# Altium PCB Brake Module PCB R5.PcbDoc (part 1 of 3) (continued)
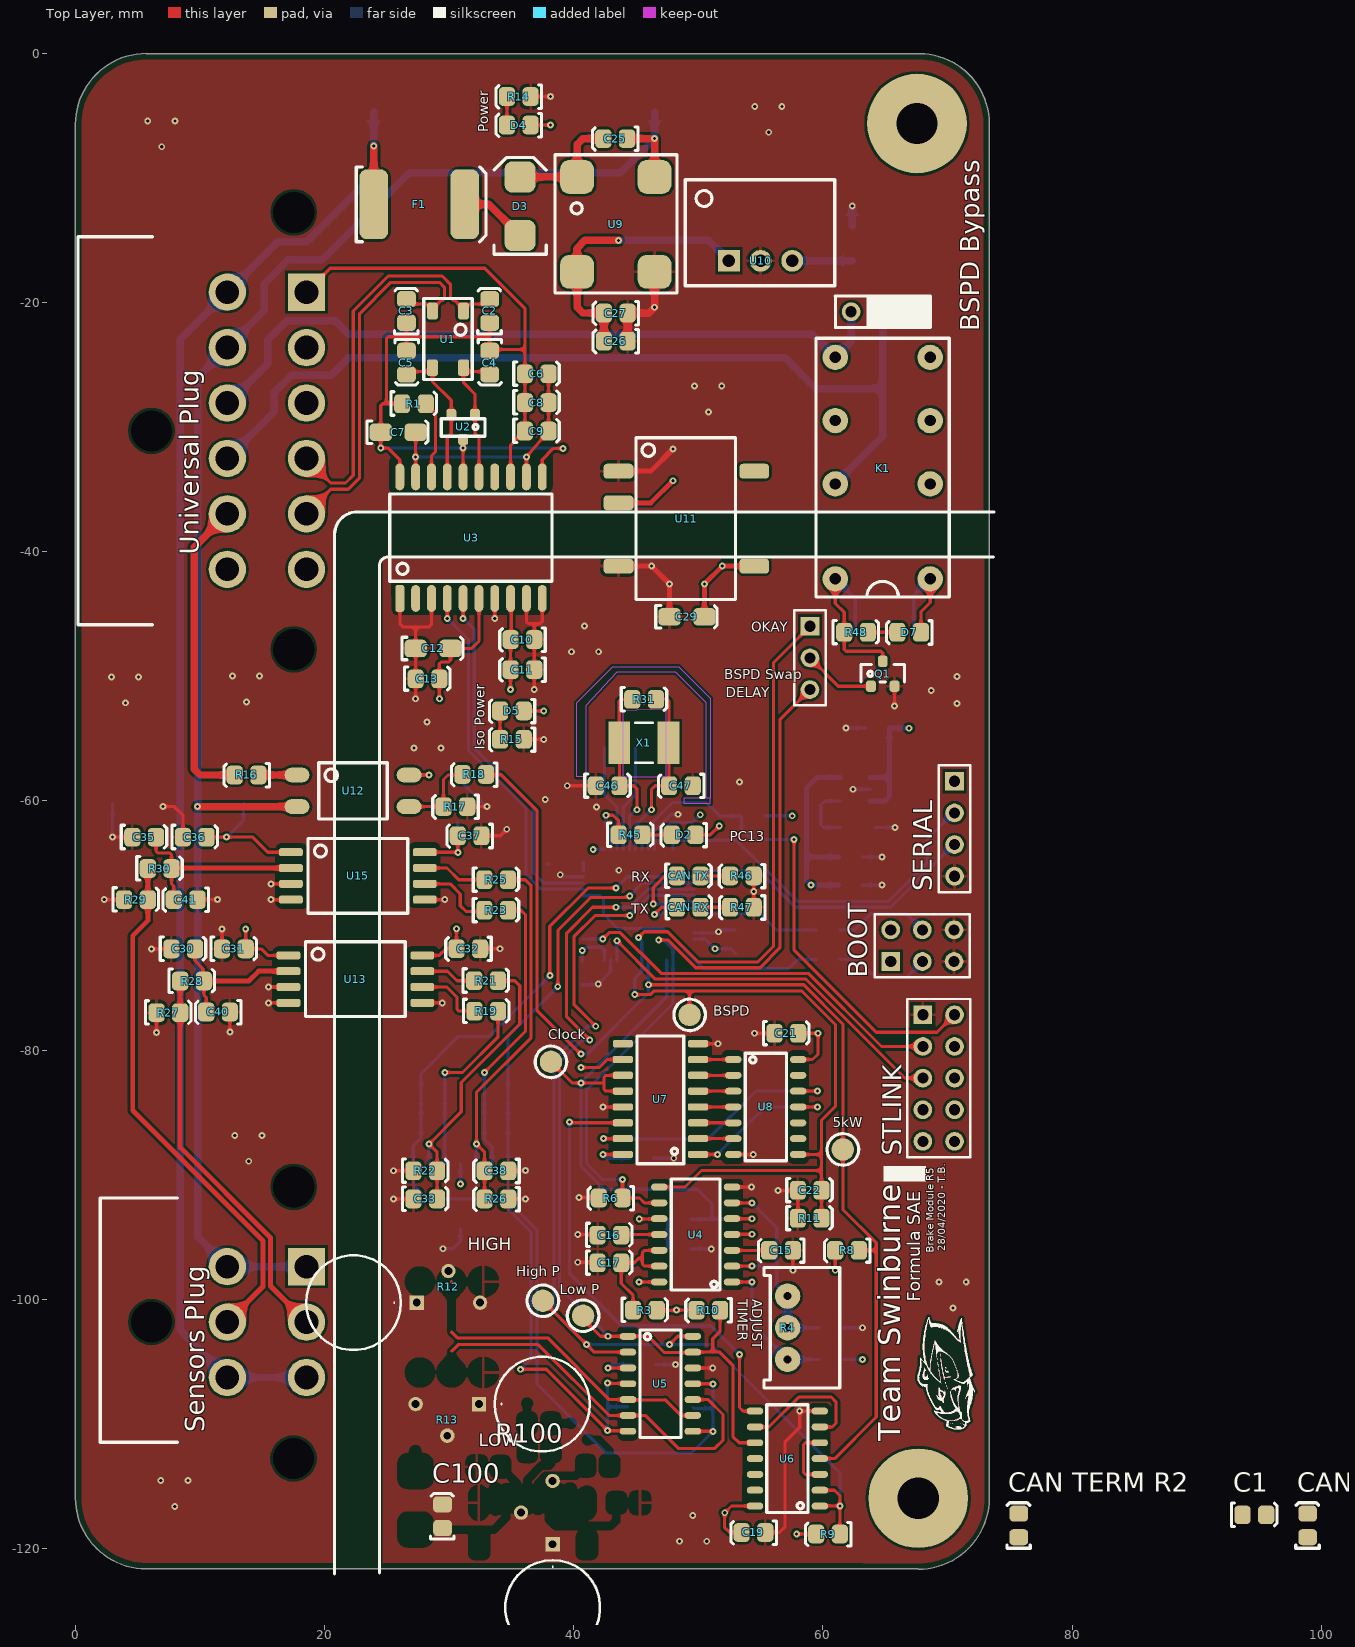
[diagram p0: Top Layer view]
## Components (designator, comment, footprint, x,y, rotation, side; value= is the part's Value field where it differs from the comment) (continued)
D7 "Green" "0805 LED" 66.91,-46.489 r180 top
F1 "0ZCF0100AF2A" 2920 23.946,-12.11 r0 top
GLV+ "0mm" "SMD Test Point" 23.95,-4.725 r90 bottom
GLV- "0mm" "SMD Test Point" 46.483,-4.725 r90 bottom
"High P" "0mm" "SMD Test Point" 37.525,-100.125 r90 top
K1 "V23105A5475A201" "TI 2-DIL" 64.802,-33.281 r90 top
"Low P" "0mm" "SMD Test Point" 40.75,-101.325 r90 top
Q1 "2N7002K" "ON SOT-23 MOSFET" 64.802,-49.791 r0 top
R1 "0R" 0805 27.183,-28.091 r0 top
R2 "10k" 0805 60.637,-104.855 r0 bottom
R3 "1M" 0805 45.725,-100.85 r0 top
R4 "10K (Var)" "B 3296" 57.725,-102.375 r270 top
R6 "20k" 0805 42.95,-91.9 r180 top
R7 "1.5k" 0805 48.47,-95.928 r180 bottom
R8 "3.3k" 0805 61.924,-96.102 r180 top
R9 "3.3k" 0805 60.396,-118.872 r180 top
R10 "3.3k" 0805 50.788,-100.901 r180 top
R11 "10k" 0805 58.95,-93.475 r0 top
R12 "3339P-1-103LF" 3339P1103LF 27.4,-100.275 r0 top
R13 "3339P-1-103LF" 3339P1103LF 32.389,-108.414 r180 top
R14 "680R" 0805 35.572,-3.485 r180 top
R15 "680R" 0805 35.025,-55.088 r180 top
R16 "680R" 0805 13.72,-57.945 r180 top
R17 "10k" 0805 30.484,-60.485 r180 top
R18 "100R" 0805 32,-57.9 r180 top
R19 "10k" 0805 32.987,-76.849 r0 top
R20 "10k" 0805 28.688,-83.497 r180 bottom
R21 "10k" 0805 32.97,-74.403 r0 top
R22 "10k" 0805 28.092,-89.664 r0 top
R23 "10k" 0805 33.787,-68.749 r0 top
R24 "10k" 0805 33.792,-83.497 r0 bottom
R25 "10k" 0805 33.786,-66.301 r0 top
R26 "10k" 0805 33.778,-91.976 r180 top
R27 "200R" 0805 7.472,-76.969 r0 top
R28 "1k" 0805 9.372,-74.429 r0 top
R29 "200R" 0805 4.872,-67.899 r0 top
R30 "1k" 0805 6.772,-65.4 r0 top
R31 "10M" 0805 45.656,-51.823 r0 top
R38 "10k" 0805 54.425,-61.225 r0 bottom
R39 "10k" 0805 60.425,-72.7 r180 bottom
R40 "10k" 0805 60.45,-70.375 r0 bottom
R45 "510R" 0805 44.564,-62.697 r0 top
R46 "510R" 0805 53.482,-66.047 r180 top
R47 "510R" 0805 53.488,-68.564 r180 top
R48 "680R" 0805 62.67,-46.437 r0 top
R100 "3339P-1-103LF" 3339P1103LF 38.307,-119.666 r90 top
"S1 AMP" "0mm" "SMD Test Point" 44.3,-108.625 r270 bottom
"S2 AMP" "0mm" "SMD Test Point" 49.575,-108.7 r90 bottom
"Sensors Plug" "DT13-6P" DT13-6P 2.096,-108.783 r270 top
SERIAL "2.54mm" "TH 2.54mm Header 1x4" 70.565,-58.425 r270 top
STLINK "2.54mm" "TH 2.54mm Header 2x5" 68.025,-77.17 r270 top
U1 "B82787C0104H002" "TDK 4-PC Pad" 31.155,-20.681 r270 top
U2 "NUP2105L" "ON SOT-23" 31.119,-29.979 r180 top
U3 "ADM3053" "AD SOIC-W 20" 31.754,-38.869 r0 top
U4 "NE556DR" "14 SOIC" 49.73,-95.022 r90 top
U5 "LMV339IDR" "TI 14-SOIC" 41.756,-122.025 r270 top
U6 "SN74HC00DR" "TI 14-SOIC" 62.35,-97.55 r90 top
U7 "MC74HC595ADR2G" "ON 16-SOIC" 47.081,-88.378 r180 top
U8 "CD74HC30M96" "TI 14-SOIC" 50.207,-99.808 r270 top
U9 "744272121" "Wurth 4-PC Pad" 46.483,-17.533 r90 top
U10 "R-78C5.0-1.0" "RECOM 3-SIP" 52.455,-16.644 r0 top
U11 "R2S-0505/HP" "RECOM 8-SMD (5 Pin)" 48.986,-37.345 r270 top
U12 "LTV-817S-TA1" "ON 4-SMD" 22.534,-59.189 r0 top
U13 "ACPL-C870" "BROAD 8-SOIC" 22.471,-74.302 r270 top
U14 "LM324D" "TI 14-SOIC" 46.16,-86.551 r0 bottom
U15 "ACPL-C870" "BROAD 8-SOIC" 22.669,-66.022 r270 top
U16 "STM32F103C8T6" "STM 48-LQFP" 45.216,-68.333 r0 bottom
U17 "RT9193-33GB" "RICHTEK SOT-23-5" 62.767,-59.113 r270 bottom
"Universal Plug" "DT13-12P" DT13-12P 12.196,-19.159 r270 top
X1 "8MHz" ECS-80-18-30-JGN-TR 45.632,-55.338 r0 top
X2 "32.768kHz" "EPSON 2-SMD" 43.717,-55.76 r0 bottom

## Footprints (in the part's own frame and the unit in brackets; to place one, negate y for a bottom-side part, rotate by r counter-clockwise, add the part's x,y. Pads: shape width x height; smd on the part's side, far side on the other; paste and mask are expansions set on the pad)
"14 SOIC" [mil]
  oval 22x52 smd: 1(-141.46,-116.85) 2(-91.46,-116.85) 3(-41.46,-116.85) 4(8.54,-116.85) 5(58.54,-116.85) 6(108.54,-116.85) 7(158.54,-116.85) 8(158.54,112.87) 9(108.54,112.87) 10(58.54,112.87) 11(8.54,112.87) 12(-41.46,112.87) 13(-91.46,112.87) 14(-141.46,112.87)
  silkscreen extent -167,-79 184,75, body extent -163,-122 181,122, height 69
0805 [mm]
  rrect50% 1.3x1.5 smd: 1(-0.962,-0.026) 2(0.938,-0.026)
  silkscreen extent -1.85,-0.95 1.8,0.93, body extent -1,-0.65 1,0.66, height 0.73
"0805 LED" [mm]
  rrect50% 1.3x1.5 smd: A(-0.962,-0.026) K(0.938,-0.026)
  silkscreen extent -1.85,-0.95 1.8,0.93, body extent -1.1,-0.62 0.9,0.62, height 1
1206 [mm]
  rrect50% 1.8x1.4 smd: 1(-2.6,0) 2(0.2,0)
  silkscreen extent -3.7,-0.9 1.2,0.9, body extent -2.9,-0.9 0.5,0.9, height 1.85
2920 [mm]
  rrect50% 2.3x5.6 smd: 1(0,0) 2(7.3,0)
  silkscreen extent -1.4,-3 9,3, body extent -0.34,-2.81 7.64,2.81, height 1.14
3339P1103LF [mm]
  rect 1.155x1.155 hole 0.63: 1(0,0)
  round 1.155 hole 0.63: 2(2.54,2.54) 3(5.08,0)
  silkscreen extent -8.89,-3.8 -1.27,3.8, body extent -1.27,-3.81 6.35,3.81, height 6.7
"AD SOIC-W 20" [mil]
  rrect50% 28x85 smd: 1(-225,-192.02)
  oval 28x85 smd: 2(-175,-192.02) 3(-125,-192.02) 4(-75,-192.02) 5(-25,-192.02) 6(25,-192.02) 7(75,-192.02) 8(125,-192.02) 9(175,-192.02) 10(225,-192.02) 11(225,192.02) 12(175,191.98) 13(125,191.98) 14(75,191.98) 15(25,191.98) 16(-25,191.98) 17(-75,191.98) 18(-125,191.98) 19(-175,191.98) 20(-225,191.98)
  silkscreen extent -257,-138 256,138, body extent -260,-210 260,210, height 105
"B 3296" [mil]
  round 80 hole 25.2: 1(-103.39,-22) 2(-3.39,-22) 3(96.61,-22)
  silkscreen extent -193,-97 187,143, body extent -191,-97 184,143, height 455
"BROAD 8-SOIC" [mm]
  rrect50% 0.64x1.905 smd: 1(-1.905,-5.372) 2(-0.635,-5.372) 3(0.635,-5.372) 4(1.905,-5.372) 5(1.905,5.372) 6(0.635,5.372) 7(-0.635,5.372) 8(-1.905,5.372)
  silkscreen extent -3,-4 3,4, body extent -2.92,-5.75 2.92,5.75, height 3.68
DT13-6P [mm]
  round 3 hole 3.3 unplated: 0(-17.805,15.43) 0(-6.95,4) 0(4,15.4)
  rect 3x3 hole 1.9: 1(-11.4,16.45)
  round 3 hole 1.9: 2(-6.95,16.45) 3(-2.5,16.45) 4(-2.5,10.1) 5(-6.95,10.1) 6(-11.4,10.1)
  silkscreen extent -16.9,-0.1 2.7,6.1, body extent -29.9,-19.9 12.9,19.6, height 35.63
DT13-12P [mm]
  round 3 hole 3.3 unplated: 0(-6.405,5.33) 0(11.135,-6.1) 0(28.675,5.33)
  rect 3x3 hole 1.9: 1(0,6.35)
  round 3 hole 1.9: 2(4.45,6.35) 3(8.9,6.35) 4(13.35,6.35) 5(17.8,6.35) 6(22.25,6.35) 7(22.25,0) 8(17.8,0) 9(13.35,0) 10(8.9,0) 11(4.45,0) 12(0,0)
  silkscreen extent -4.45,-12 26.7,-6, body extent -18.6,-34.7 40.6,9.5, height 35.63
ECS-80-18-30-JGN-TR [mm] "Crystal, 8MHz"
  rect 1.75x3.4 smd: 1(-1.975,0) 2(1.975,0)
  silkscreen extent -0.7,-1.6 0.7,1.6, body extent -2.5,-1.7 2.5,1.7, height 1.1
"EPSON 2-SMD" [mm]
  rrect50% 1x1.8 smd: 1(-1.25,0) 2(1.25,0)
  silkscreen extent -2,-1.2 2,1.2, body extent -1.5,-1 1.5,1, height 1
"ON 4-SMD" [mm] "SOP, 4-Leads, Body 3.85x4.4mm, Pitch 2.54mm, IPC Medium Density"
  oval 2x1.2 smd: 1(-4.75,1.27) 2(-4.75,-1.27) 3(4.25,-1.27) 4(4.25,1.27)
  silkscreen extent -3,-2.25 2.5,2.25, body extent -5.33,-2.3 4.83,2.3, height 4.6
"ON 16-SOIC" [mm]
  rrect50% 1.6x0.58 smd: 1(-2.89,0) 2(-2.89,-1.27) 3(-2.89,-2.54) 4(-2.89,-3.81) 5(-2.89,-5.08) 6(-2.89,-6.35) 7(-2.89,-7.62) 8(-2.89,-8.89) 9(3.14,-8.89) 10(3.14,-7.62) 11(3.14,-6.35) 12(3.14,-5.08) 13(3.14,-3.81) 14(3.14,-2.54) 15(3.14,-1.27) 16(3.14,0)
  silkscreen extent -1.75,-9.5 2,0.75, body extent -3.09,-9.4 3.14,0.6, height 1.75
"ON SOT-23" [mm] "NUP2105L"
  rrect50% 0.8x0.9 smd: 1(-0.95,-1) 2(0.95,-1) 3(0,1)
  silkscreen extent -1.75,-0.65 1.75,0.75, body extent -1.5,-1.27 1.5,1.28, height 1
"ON SOT-23 MOSFET" [mm] "NUP2105L"
  rrect50% 0.8x0.9 smd: D(0,1) G(-0.95,-1) S(0.95,-1)
  silkscreen extent -1.75,-0.66 1.75,0.75, body extent -1.5,-1.27 1.5,1.28, height 1
"RECOM 3-SIP" [mm] "12 to 42 Vdc In, 9 Vdc Out"
  rect 1.75x1.75 hole 1: 1(0,0)
  round 1.75 hole 1: 2(2.54,0) 3(5.08,0)
  silkscreen extent -3.5,-2 8.5,6.5, body extent -3.26,-2.02 8.34,6.48, height 11.41
"RECOM 8-SMD (5 Pin)" [mm]
  rrect50% 1.2x2.4 smd: 1(-3.81,-5.4) 2(-1.27,-5.4) 4(3.81,-5.4) 5(3.81,5.5) 8(-3.81,5.5)
  silkscreen extent -6.5,-4 6.5,4, body extent -6.37,-5.55 6.38,5.55, height 9.2
"RICHTEK SOT-23-5" [mil]
  rrect50% 19x58 smd: 1(-39.37,-39.37) 2(-1.97,-39.37) 3(35.43,-39.37) 4(35.43,53.63) 5(-39.37,53.63)
  silkscreen extent -69,-31 64,47, body extent -62,-51 58,67, height 57
"SMB Diode" [mm]
  rrect50% 2.5x2.5 smd: A(-0.25,0) K(4.45,0)
  silkscreen extent -1.75,-2.1 6,2.1, body extent -0.69,-1.97 4.9,1.97, height 2.5
"SMD Test Point" [mm]
  round 1.8 smd: 1(0,0)
  silkscreen extent -1.27,-1.27 1.27,1.27
"STM 48-LQFP" [mm]
  rrect50% 0.3x1.2 smd mask+0.05: 1(-2.75,-4.45) 2(-2.25,-4.45) 3(-1.75,-4.45) 4(-1.25,-4.45) 5(-0.75,-4.45) 6(-0.25,-4.45) 7(0.25,-4.45) 8(0.75,-4.45) 9(1.25,-4.45) 10(1.75,-4.45) 11(2.25,-4.45) 12(2.75,-4.45) 25(2.75,4.45) 26(2.25,4.45) 27(1.75,4.45) 28(1.25,4.45) 29(0.75,4.45) 30(0.25,4.45) 31(-0.25,4.45) 32(-0.75,4.45) 33(-1.25,4.45) 34(-1.75,4.45) 35(-2.25,4.45) 36(-2.75,4.45)
  rrect50% 1.2x0.3 smd mask+0.05: 13(4.45,-2.75) 14(4.45,-2.25) 15(4.45,-1.75) 16(4.45,-1.25) 17(4.45,-0.75) 18(4.45,-0.25) 19(4.45,0.25) 20(4.45,0.75) 21(4.45,1.25) 22(4.45,1.75) 23(4.45,2.25) 24(4.45,2.75) 37(-4.45,2.75) 38(-4.45,2.25) 39(-4.45,1.75) 40(-4.45,1.25) 41(-4.45,0.75) 42(-4.45,0.25) 43(-4.45,-0.25) 44(-4.45,-0.75) 45(-4.45,-1.25) 46(-4.45,-1.75) 47(-4.45,-2.25) 48(-4.45,-2.75)
  silkscreen extent -3.5,-3.5 3.5,3.5, body extent -4.6,-4.6 4.6,4.6, height 1.6
"TDK 4-PC Pad" [mm]
  rrect50% 1.35x0.9 smd: 1(0,0) 2(0,-2.5) 3(4.55,-2.5) 4(4.55,0)
  silkscreen extent -1,-3.2 5.5,0.7, body extent -0.02,-2.82 4.48,0.38, height 2.8
"TH 2.54mm Header 1x3" [mm]
  rect 1.5x1.5 hole 0.9: 1(0,0)
  round 1.5 hole 0.9: 2(2.54,0) 3(5.08,0)
  silkscreen extent -1.27,-1.27 6.35,1.27, body extent -1.27,-1.27 6.35,1.27, height 9.5
"TH 2.54mm Header 1x4" [mm]
  rect 1.5x1.5 hole 0.9: 1(0,0)
  round 1.5 hole 0.9: 2(2.54,0) 3(5.08,0) 4(7.62,0)
  silkscreen extent -1.27,-1.27 8.89,1.27, body extent -1.27,-1.27 8.89,1.27, height 9.5
"TH 2.54mm Header 2x3" [mm]
  rect 1.5x1.5 hole 0.9: 1(0,0)
  round 1.5 hole 0.9: 2(0,2.54) 3(2.54,0) 4(2.54,2.54) 5(5.08,0) 6(5.08,2.54)
  silkscreen extent -1.27,-1.27 6.35,3.81, body extent -1.27,-1.27 6.35,3.81, height 9.5
"TH 2.54mm Header 2x5" [mm]
  rect 1.5x1.5 hole 0.9: 1(0,0)
  round 1.5 hole 0.9: 2(0,2.54) 3(2.54,0) 4(2.54,2.54) 5(5.08,0) 6(5.08,2.54) 7(7.62,0) 8(7.62,2.54) 9(10.16,0) 10(10.16,2.54)
  silkscreen extent -1.27,-1.27 11.43,3.81, body extent -1.27,-1.27 11.43,3.81, height 9.5
"TI 2-DIL" [mil]
  round 80 hole 35.43: 1(-350,-150) 4(-50,-150) 6(150,-150) 8(350,-150) 9(350,150) 11(150,150) 13(-50,150) 16(-350,150)
  silkscreen extent -408,-210 410,211, body extent -398,-197 398,197, height 450
"TI 14-SOIC" [mil]
  oval 22x52 smd: 1(-750,102.36) 2(-700,102.36) 3(-650,102.36) 4(-600,102.36) 5(-550,102.36) 6(-500,102.36) 7(-450,102.36) 8(-450,307.09) 9(-500,307.09) 10(-550,307.09) 11(-600,307.09) 12(-650,307.09) 13(-700,307.09) 14(-750,307.09)
  silkscreen extent -770,140 -430,270, body extent -770,86 -430,323, height 69
"Wurth 4-PC Pad" [mm]
  rrect50% 2.7x2.7 smd: 1(7.62,6.22) 2(0,6.22) 3(0,0) 4(7.62,0)
  silkscreen extent -1.7,-1.8 9.4,8, body extent -1.19,-1.24 8.81,7.46, height 6.2

## Part data
0V "0V (ISO)" 5kW 5V "5V (ISO)" BSPD Clock GLV+ GLV- "High P" "Low P" "S1 AMP" "S2 AMP": library part "SMD Test Point", Angle=0, Contact=NA, Flange=No, Part Number="SMD Test Point", Pitch=0mm, Positions=1, Row Spacing=0
BOOT: library part "TH 2.54mm Header 2x3", Angle=0, Contact=NA, Flange=No, Part Number="TH 2.54mm Header 2x3", Pitch=2.54mm, Positions=6, Row Spacing=2.54mm
"BSPD Bypass" "BSPD Swap": library part "TH 2.54mm Header 1x3", Angle=0, Contact=NA, Flange=No, Part Number="TH 2.54mm Header 1x3", Pitch=2.54mm, Positions=3, Row Spacing=2.54mm
C1 C46 C47 C48 C49: library part GRM21A5C2E220JW01D, Digikey Part Number=490-5534-1-ND, Manufacturer=muRata, Rated Voltage=250V, Tolerance=±5%, Material="C0G, NP0", Part Number=GRM21A5C2E220JW01D
C2 C3 C4 C5 C16 C33 C34 C38 C39: library part GCM2165C1H101JA16D, Digikey Part Number=490-8031-1-ND, Manufacturer=muRata, Rated Voltage=50V, Tolerance=±5%, Material="C0G, NP0", Part Number=GCM2165C1H101JA16D
C6 C9 C11 C13 C18 C20 C21 C22 C23 C24 C30 C31 C32 C35 C36 C37 C40 C41 C43 C44 C45 C52 C100: library part GCM21BR71H104KA37L, Digikey Part Number=490-6064-1-ND, Manufacturer=muRata, Rated Voltage=50V, Tolerance=±10%, Material=X7R, Part Number=GCM21BR71H104KA37L
C7 C12: library part GCM3195C2A103JA16D, Digikey Part Number=490-4978-2-ND, Manufacturer=muRata, Rated Voltage=100V, Tolerance=5%, Material=Ceramic, Part Number=GCM3195C2A103JA16D
C8 C10 C14 C17 C25 C26 C27: library part GRM21BR6YA106KE43L, Digikey Part Number=490-10514-6-ND, Manufacturer=muRata, Rated Voltage=50V, Tolerance=10%, Material=X5R, Part Number=GRM21BR6YA106KE43L
C15: library part GRM21A5C2E100JW01D, Digikey Part Number=490-5530-1-ND, Manufacturer=muRata, Rated Voltage=250V, Tolerance=±5%, Material="C0G, NP0", Part Number=GRM21A5C2E100JW01D
C19: library part GCM21BR71E104KA37L, Digikey Part Number="DO NOT USE FOR NEW DESIGNS", Manufacturer=muRata, Rated Voltage=25V, Tolerance=10%, Material=X7R, Part Number=GCM21BR71E104KA37L
C28 C29 C51: library part CC1206MKX5R7BB226, Digikey Part Number=311-1997-2-ND, Manufacturer=YAGEO, Rated Voltage=16V, Tolerance=20%, Material=Ceramic, Part Number=CC1206MKX5R7BB226
C42 C50 C53: library part AC0805KKX7R8BB105, Digikey Part Number="DO NOT USE FOR NEW DESIGNS", Manufacturer=YAGEO, Rated Voltage=25V, Tolerance=10%, Material=X7R, Part Number=AC0805KKX7R8BB105
"CAN RX" "CAN TX": library part SML-MN2BCTT86C, "LED BLUE CLEAR 2012 SMD", Digikey Part Number=846-1207-1-ND, Manufacturer="ROHM Semiconductor", Colour=Blue, Digikey Link=https://www.digikey.com/product-detail/en/rohm-semiconductor/SMLMN2BCTT86C/846-1207-1-ND/6057239, Part Number=SML-MN2BCTT86C
"CAN TERM R1" "CAN TERM R2": library part RC0805FR0756RL, Digikey Part Number=311-56.0CRCT-ND, Manufacturer=YAGEO, Rated Voltage=0.125W, Tolerance=0.01, Material=FR-07, Part Number=RC0805FR0756RL
D1: library part SML-211YTT86, "Yellow LED Indication - Discrete 1.75V 0805 (2012 Metric)", Digikey Part Number=511-1293-1-ND, Manufacturer="ROHM Semiconductor", Colour=Yellow, Digikey Link=https://www.digikey.com/product-detail/en/rohm-semiconductor/SML-211YTT86/511-1293-1-ND/637106, Part Number=SML-211YTT86
D2 D4 D5: library part SML-210LTT86, "Red LED Indication - Discrete 1.75V 0805 (2012 Metric)", Digikey Part Number=511-1286-1-ND, Manufacturer="ROHM Semiconductor", Colour=Red, Digikey Link=https://www.digikey.com/product-detail/en/rohm-semiconductor/SML-210LTT86/511-1286-1-ND/637099, Part Number=SML-210LTT86
D3 D6: "1.2V_F 600V 5A SMB", Digikey Part Number=1655-1530-2-ND, Manufacturer="SMC Diode Solutions", Digikey Link=https://www.digikey.com/product-detail/en/smc-diode-solutions/SD560BTR/1655-1530-2-ND/6022620, Part Number=SD560BTR
D7: library part SML-210FTT86, "Green LED Indication - Discrete 1.75V 0805 (2012 Metric)", Digikey Part Number=511-1285-1-ND, Manufacturer="ROHM Semiconductor", Colour=Green, Digikey Link=https://www.digikey.com/product-detail/en/rohm-semiconductor/SML-210FTT86/511-1285-1-ND/637098, Part Number=SML-210FTT86
F1: "PTC RESET FUSE 60V 1A 292", Digikey Part Number=507-2070-1-ND, Manufacturer="Littelfuse Inc.", Digikey Link=https://www.digikey.com/product-detail/en/bel-fuse-inc/0ZCF0100AF2A/507-2070-1-ND/6210547, Part Number=0ZCF0100AF2A
K1: "5V DPDT Relay 3A 220VDC", Digikey Part Number=PB383-ND, Manufacturer=Axicom, Digikey Link=https://www.digikey.com/products/en?mpart=V23105A5001A201&v=41, Part Number=V23105A5475A201
Q1: "60V 380mA, NFET MOSTFET (Small Signal)", Digikey Part Number=2N7002KCT-ND, Manufacturer="ON Semiconductor", Digikey Link=https://www.digikey.com/product-detail/en/on-semiconductor/2N7002K/2N7002KCT-ND/2060375, LatestRevisionDate=29-May-2009, LatestRevisionNote="IPC-7351 Footprint Added.", PackageDescription="4-Pin SOT-343 Package 1.3 mm Pitch, 2.1 mm Lead Span", PackageReference=SOT-343, PackageVersion=Sep-2000, Part Number=2N7002K, Published=24-Mar-1999, Publisher="Altium Limited", Qty=30
R1: library part RC0805FR070RL, Digikey Part Number=311-0.0CRCT-ND, Manufacturer=YAGEO, Rated Voltage=0.125W, Tolerance=0.01, Material=FR-07, Part Number=RC0805FR070RL
R2 R11 R17 R19 R20 R21 R22 R23 R24 R25 R26 R38 R39 R40: library part RC0805FR0710KL, Digikey Part Number=311-10.0KCRCT-ND, Manufacturer=YAGEO, Rated Voltage=0.125W, Tolerance=0.01, Material=FR-07, Part Number=RC0805FR0710KL
R3: library part RC0805FR071ML, Digikey Part Number=311-1.00MCRCT-ND, Manufacturer=YAGEO, Rated Voltage=0.125W, Tolerance=0.01, Material=FR-07, Part Number=RC0805FR071ML
R4: library part 3296W-1-103LF, Digikey Part Number=3296W-103LF-ND, Manufacturer="Bournes Inc", Rated Voltage=0.5W, Tolerance=0.1, Part Number=3296W-1-103LF
R6: library part RC0805FR0720KL, Digikey Part Number=311-20.0KCRCT-ND, Manufacturer=YAGEO, Rated Voltage=0.125W, Tolerance=0.01, Material=FR-07, Part Number=RC0805FR0720KL
R7: library part RC0805FR071K5L, Digikey Part Number=311-1.50KCRCT-ND, Manufacturer=YAGEO, Rated Voltage=0.125W, Tolerance=0.01, Material=FR-07, Part Number=RC0805FR071K5L
R8 R9 R10: library part RC0805FR073K3L, Digikey Part Number=311-3.30KCRCT-ND, Manufacturer=YAGEO, Rated Voltage=0.125W, Tolerance=0.01, Material=FR-07, Part Number=RC0805FR073K3L
R12 R13 R100: "Variable Resistor", Manufacturer_Name=Bourns, Mouser Part Number=652-3339P-1-103LF, Arrow Part Number=3339P-1-103LF, Arrow Price/Stock=https://www.arrow.com/en/products/3339p-1-103lf/bourns?region=nac, Datasheet Link=http://www.bourns.com/docs/Product-Datasheets/3339.pdf, Height=6.6mm, Manufacturer_Part_Number=3339P-1-103LF, Mouser Price/Stock=https://www.mouser.co.uk/ProductDetail/Bourns/3339P-1-103LF?qs=pSi0RBzb0oq3DckZs1IQyg%3D%3D
R14 R15 R16 R48: library part RC0805FR07680RL, Digikey Part Number=311-680CRCT-ND, Manufacturer=YAGEO, Rated Voltage=0.125W, Tolerance=0.01, Material=FR-07, Part Number=RC0805FR07680RL
R18: library part RC0805FR07100RL, Digikey Part Number=311-100CRCT-ND, Manufacturer=YAGEO, Rated Voltage=0.125W, Tolerance=0.01, Material=FR-07, Part Number=RC0805FR07100RL
R27 R29: library part RC0805FR07200RL, Digikey Part Number=311-200CRCT-ND, Manufacturer=YAGEO, Rated Voltage=0.125W, Tolerance=0.01, Material=FR-07, Part Number=RC0805FR07200RL
R28 R30: library part RC0805FR071KL, Digikey Part Number=311-1.00KCRCT-ND, Manufacturer=YAGEO, Rated Voltage=0.125W, Tolerance=0.01, Material=FR-07, Part Number=RC0805FR071KL
R31: library part RC0805FR0710ML, Digikey Part Number=311-10.0MCRCT-ND, Manufacturer=YAGEO, Rated Voltage=0.125W, Tolerance=0.01, Material=FR-07, Part Number=RC0805FR0710ML
R45 R46 R47: library part RC0805FR07510RL, Digikey Part Number=311-510CRCT-ND, Manufacturer=YAGEO, Rated Voltage=0.125W, Tolerance=0.01, Material=FR-07, Part Number=RC0805FR07510RL
"Sensors Plug": library part DT13-6P[[/\]]DT13-6P, Digikey Part Number=1734-1025-ND, Angle=90, Contact="Copper Alloy", Digikey Link=https://www.digikey.com/product-detail/en/te-connectivity-deutsch-connectors/DT13-6P/1734-1025-ND/6566589, Flange=Yes, Part Number=DT13-6P, Pitch=4.44mm, Positions=6, Row Spacing=6.35mm
SERIAL: library part "TH 2.54mm Header 1x4", Angle=0, Contact=NA, Flange=No, Part Number="TH 2.54mm Header 1x4", Pitch=2.54mm, Positions=4, Row Spacing=2.54mm
STLINK: library part "TH 2.54mm Header 2x5", Angle=0, Contact=NA, Flange=No, Part Number="TH 2.54mm Header 2x5", Pitch=2.54mm, Positions=10, Row Spacing=2.54mm
U1: "100µH @ 100kHz 2 Line Common Mode Choke Surface Mount 5.8 kOhms @ 10MHz 150mA DCR 2Ohm", Digikey Part Number=495-4598-1-ND, Inductance="100µH @ 100kHz", Manufacturer="EPCOS (TDK)", Rated Current=150mA, Digikey Link=https://www.digikey.com/product-detail/en/epcos-tdk/B82787C0104H002/495-4598-2-ND/3680998, Impedence="5.8 kOhms @ 10MHz", Material=Wirewound, Part Number=B82787C0104H002
U2: "Dual Line CAN Bus Protector", Digikey Part Number=NUP2105LT1GOSCT-ND, Manufacturer="ON Semiconductor", Digikey Link=https://www.digikey.com/product-detail/en/on-semiconductor/NUP2105LT1G/NUP2105LT1GOSCT-ND/1485001, Part Number=NUP2105L
U3: "Isolated CAN Transceiver", Digikey Part Number=ADM3053BRWZ-ND, Manufacturer="Analogue Devices", Digikey Link=https://www.digikey.com/product-detail/en/analog-devices-inc/ADM3053BRWZ/ADM3053BRWZ-ND/2709332, Part Number=ADM3053
U4: "IC OSC TIMER DUAL 100KHZ 14SOIC", Digikey Part Number=296-26240-1-ND, Manufacturer="Texas Instruments", Digikey Link=https://www.digikey.com/product-detail/en/texas-instruments/NE556DR/296-26240-1-ND/2254905, Part Number=NE556DR
U5: "Comparator General Purpose Open Collector 14-SOIC", Digikey Part Number=296-6611-2-ND, Manufacturer="Texas Instruments", Digikey Link=https://www.digikey.com/product-detail/en/texas-instruments/LMV339MTX-NOPB/296-35446-1-ND/3739150, Part Number=LMV339IDR
U6: "NAND Gate IC 4 Channel 14-SOIC", Digikey Part Number=296-1187-2-ND, Manufacturer="Texas Instruments", Digikey Link=https://www.digikey.com.au/product-detail/en/texas-instruments/SN74HC00DR/296-1187-2-ND/276830, Part Number=SN74HC00DR
U7: "IC SHIFT REGISTR 8BIT 3ST 16SOIC", Digikey Part Number=MC74HC595ADR2GOSCT-ND, Manufacturer="ON Semiconductor", Digikey Link=https://www.digikey.com/product-detail/en/on-semiconductor/MC74HC595ADR2G/MC74HC595ADR2GOSCT-ND/1139727, Part Number=MC74HC595ADR2G
U8: "IC GATE NAND 1CH 8-INP 14SOIC", Digikey Part Number=296-14521-1-ND, Manufacturer="Texas Instruments", Digikey Link=https://www.digikey.com/product-detail/en/texas-instruments/CD74HC30M96/296-14521-1-ND/555580, Part Number=CD74HC30M96
U9: "120µH @ 100kHz 2 Line Common Mode Choke Surface Mount 460 Ohms @ 30MHz 2.5A DCR 25mOhm", Digikey Part Number=732-1489-1-ND, Inductance="120uH @ 100kHz", Manufacturer="Wurth Electronics Inc", Rated Current=2.5A, Digikey Link=https://www.digikey.com/product-detail/en/w-rth-elektronik/744272121/732-1489-1-ND/1639501, Impedence="460 Ohms @ 30MHz", Material=Wirewound, Part Number=744272121
U10: "CONV DC/DC 1A 5V OUT SIP VERT", Digikey Part Number=945-1395-5-ND, Manufacturer=Recom, Digikey Link=https://www.digikey.com.au/product-detail/en/recom-power/R-78C5.0-1.0/945-1395-5-ND/2652148, Isolation=Non-Isolated, Part Number=R-78C5.0-1.0
U11: "Isolated Module DC DC Converter 1 Output 3.3V 606mA 4.5V - 5.5V Input", Digikey Part Number=945-1764-5-ND, Input Voltage=4.5V-5.5V, Manufacturer=Recom, Output Power=2W, Output Voltage=5V, Digikey Link=https://www.digikey.com/product-detail/en/recom-power/R2S-0505-HP/945-1764-5-ND/2302761, Efficiency=0.85, Isolation=Isolated, Part Number=R2S-0505/HP
U12: "35V 50ma Optocoupler (VF=1.2V)", Digikey Part Number=160-1893-2-ND, Manufacturer="Lite-On Inc", Digikey Link=https://www.digikey.com/product-detail/en/lite-on-inc/LTV-817S-TA1/160-1893-2-ND/388451, Part Number=LTV-817S-TA1
U13 U15: "Isolation Amplifier 1 Circuit Differential 8-SO", Digikey Part Number=516-2578-5-ND, Manufacturer="Broadcom Limited", Digikey Link=https://www.digikey.com/product-detail/en/broadcom-limited/ACPL-C870-000E/516-2578-5-ND/3523705, Part Number=ACPL-C870
U14: "IC OPAMP GP 4 CIRCUIT 14SOIC", Digikey Part Number=296-1390-5-ND, Manufacturer="Texas Instruments", Digikey Link=https://www.digikey.com/product-detail/en/texas-instruments/LM324D/296-1390-5-ND/277039, Part Number=LM324D
U16: "ARM® Cortex®-M3 STM32F1 Microcontroller IC 32-Bit 72MHz 64KB (64K x 8) FLASH", Digikey Part Number=497-6063-ND, Manufacturer=STMicroelectronics, Digikey Link=https://www.digikey.com/product-detail/en/stmicroelectronics/STM32F103C8T6/497-6063-ND/1646338, Part Number=STM32F103C8T6
U17: "IC REG LINEAR 3.3V 300MA SOT23-5", Digikey Part Number=1028-1014-1-ND, Manufacturer=Richtek, Digikey Link=https://www.digikey.com/products/en?keywords=1028-1014-1-ND, Part Number=RT9193-33GB
"Universal Plug": library part DT13-12P[[/\]]DT13-12P, Digikey Part Number=1734-1451-ND, Angle=90, Contact=Nickel, Digikey Link=https://www.digikey.com.au/product-detail/en/te-connectivity-deutsch-connectors/DT13-12PA/1734-1451-ND/7220123, Flange=Yes, Part Number=DT13-12P, Pitch=4.44mm, Positions=12, Row Spacing=6.35mm
X1: library part ECS-80-18-30-JGN-TR, "Crystal 8MHz", Digikey Link=#https://www.digikey.com.au/en/products/detail/ecs-inc/ECS-80-18-30-JGN-TR/5875530?s=N4IgTCBcDaIKIGEDKBaAHABhQRjSgzFgFIDiAcigCoBKIAugL5A#, Part Number=ECS-80-18-30-JGN-TR
X2: library part "FC-135 32.7680KA-A5", Digikey Part Number=SER4103TR-ND, Load Capacitance=12.5pF, Manufacturer=EPSON, Digikey Link=https://www.digikey.com/product-detail/en/epson/FC-135-32.7680KA-A5/SER4103TR-ND/5259895, ESR=70k, Part Number="FC-135 32.7680KA-A5"

## Free pads (board coordinates)
  round 8 hole 3.3: 3(67.55,-5.625) 3(67.65,-115.975)

## Via types
v1: diameter 0.55, hole 0.25, Top Layer to Bottom Layer, tented both sides, 190 vias

## Nets (pads, with @x,y where several pads share a name; then routed paths per layer and width w, separated by ;. In a path a pad name is that pad's centre, name@x,y a point inside that pad or via, vN(x,y) a via of type N, cw(c..) or ccw(c..) an arc to the next point about the centre after c; other vN are vias at no path point)
0V: 0V.1 C26.1 C27.1 C28.1 C30.1 C31.1 C35.1 C36.1 C40.1 C41.1 R14.1 R27.1 R29.1 U9.3 U10.2 U11.1 U13.3 U13.4 U15.3 U15.4 | length 39.7
  Top Layer w0.254: v1(2.31,-67.925) R29.1@3.91,-67.925 ; v1(2.966,-62.909) C35.1@4.566,-62.909 ; v1(6.102,-71.88) C30.1@7.702,-71.88 ; v1(6.51,-78.595) R27.1@6.51,-76.995 ; v1(7.025,-60.459) 7.934,-60.459 8.63,-61.155 C36.1@8.63,-62.909 ; C41.1@9.796,-67.925 v1(11.396,-67.925) ; C31.1@11.766,-71.88 v1(11.766,-70.28) ; v1(12.396,-78.543) C40.1@12.396,-76.943 ; v1(15.498,-76.207) U13.4@17.098,-76.207 ; v1(15.498,-74.937) U13.3@17.098,-74.937 ; v1(15.696,-67.927) U15.4@17.296,-67.927 ; v1(15.696,-66.657) U15.3@17.296,-66.657 ; R14.1@36.534,-3.458 v1(38.134,-3.458)
  Top Layer w0.4: U11.1@43.586,-33.535 46.192,-33.535 v1(47.97,-31.757)
  Top Layer w0.6: C26.1@44.321,-23.095 C27.1@44.321,-20.839 ; C27.1@44.321,-20.835 C27.1@44.321,-20.839 ; U9.3@46.483,-17.533 v1(46.483,-20.37) 46.014,-20.839 C27.1@44.321,-20.839
  Bottom Layer w0.254: v1(2.966,-62.909) 0V.1@2.966,-60.2
  Bottom Layer w0.6: C28.1@62.353,-13.844 v1(62.353,-12.244)
  other v1: 7.975,-116.625 6.85,-114.55 9.025,-114.55 13.914,-88.925 12.789,-86.85 14.964,-86.85 4.025,-52.125 13.725,-52.05 2.9,-50.05 5.075,-50.05 12.6,-49.975 14.775,-49.975 50.825,-28.775 49.7,-26.7 51.875,-26.7 6.93,-7.491 55.65,-6.325 5.805,-5.416 7.98,-5.416 54.525,-4.25 56.7,-4.25
"0V (ISO)": "0V (ISO).1" BOOT.5 BOOT.6 C10.1 C11.1 C12.1 C13.1 C14.1 C15.1 C16.1 C17.1 C18.1 C19.1 C20.1 C21.1 C22.1 C23.1 C24.1 C29.1 C32.1 C33.1 C37.1 C38.1 C42.1 C43.1 C44.1 C45.1 C46.1 C47.1 C48.1 C49.1 C50.1 C51.1 C52.1 C53.1 C100.1 Q1.S R6.2 R7.1 R11.1 R12.3 R13.3 R15.1 R17.1 R22.1 R26.1 R46.1 R47.1 R100.3 SERIAL.4 STLINK.1 U3.1 U3.3 U3.7 U3.9 U3.10 U4.7 U5.12 U6.7 U7.8 U7.13 U8.7 U11.4 U13.5 U14.11 U15.5 U16.8 U16.23 U16.35 U16.47 U17.2 | length 121.2
  Top Layer w0.254: v1(25.53,-91.95) C33.1@27.13,-91.95 ; v1(25.53,-89.69) R22.1@27.13,-89.69 ; U3.1@26.039,-43.746 26.039,-45.778 26.293,-46.032 27.309,-46.032 ; v1(27.309,-51.798) C13.1@27.309,-50.198 C12.1@27.309,-47.759 27.309,-46.032 ; U13.5@27.843,-76.207 v1(29.443,-76.207) ; U15.5@28.041,-67.927 v1(29.641,-67.927) ; U3.3@28.579,-43.746 28.579,-45.829 28.376,-46.032 27.309,-46.032 ; R17.1@31.446,-60.459 v1(33.046,-60.459) ; C32.1@32.487,-71.863 v1(34.087,-71.863) ; C37.1@32.587,-62.799 34.101,-62.799 v1(34.625,-62.275) ; v1(33.659,-45.346) U3.7@33.659,-43.746 ; R26.1@34.74,-91.95 v1@36.34,-91.95 ; C38.1@34.74,-89.69 34.761,-89.669 v1(36.123,-89.669) ; R15.1@35.987,-55.062 v1(37.587,-55.062) ; U3.9@36.199,-43.746 36.199,-45.604 36.348,-45.752 36.834,-45.752 ; v1(36.829,-51.06) C11.1@36.829,-49.46 36.834,-49.455 36.834,-47.052 C10.1@36.829,-47.047 36.834,-47.042 36.834,-45.752 ; U3.10@37.469,-43.746 37.469,-45.604 37.32,-45.752 36.834,-45.752 ; v1(39.476,-58.783) C46.1@41.767,-58.782 ; v1(40.319,-97.03) C17.1@41.919,-97.03 ; v1(40.319,-94.805) C16.1@41.919,-94.805 ; v1(40.418,-91.827) R6.2@42.018,-91.827 ; v1(42.341,-84.568) U7.13@43.941,-84.568 ; U5.12@49.556,-105.515 v1(51.156,-105.515) ; U7.8@49.971,-79.488 v1(51.571,-79.488) ; U4.7@52.675,-90.995 U4.7@52.698,-90.995 v1(54.275,-90.995) ; U8.7@52.807,-88.378 v1(54.407,-88.378) ; R46.1@54.444,-66.02 54.447,-66.023 54.447,-68.535 R47.1@54.45,-68.537 ; v1(54.513,-78.651) C21.1@56.113,-78.651 ; C19.1@55.375,-118.721 56.496,-118.721 56.965,-118.252 56.965,-111.437 58.135,-110.267 v1(58.135,-108.977) U6.7@59.743,-108.977 ; v1(56.38,-91.27) C22.1@57.98,-91.27 ; v1(57.587,-97.675) C15.1@57.587,-96.075 ; R11.1@57.988,-93.501 C22.1@57.988,-91.251 ; v1(65.752,-52.391) Q1.S@65.752,-50.791
  Top Layer w0.4: U11.4@43.586,-41.155 v1(46.255,-41.155) v1(47.686,-42.586) C29.1@47.686,-45.219
  Bottom Layer w0.254: v1(29.5,-95.95) 30.277,-95.95 30.92,-95.307 U14.11@30.92,-94.351 ; 30.675,-58.4 30.907,-58.4 32.966,-60.459 v1(33.046,-60.459) ; 37.82,-65.069 37.989,-65.069 ; v1@38.847,-65.927 v1(38.917,-65.927) ; v1@38.917,-65.996 38.973,-66.053 39.075,-66.053 39.105,-66.083 U16.47@40.766,-66.083 ; C44.1@40.654,-74.757 41.916,-74.757 42.943,-73.73 42.943,-72.806 U16.35@42.966,-72.783 ; U16.8@45.966,-63.883 45.989,-63.86 45.989,-62.899 47.813,-61.075 v1(48.375,-61.075) ; C20.1@46.422,-88.678 v1(48.022,-88.678) ; C18.1@46.557,-105.239 v1(48.157,-105.239) ; R7.1@49.432,-95.954 v1(51.032,-95.954) ; U16.23@49.666,-70.583 49.689,-70.606 51.53,-70.606 v1(51.632,-70.504) 51.785,-70.351 C43.1@52.939,-70.351 ; C14.1@61.575,-102.289 v1(63.175,-102.289) ; v1(61.858,-54.155) C50.1@63.458,-54.155 ; v1(62.412,-59.062) 63.791,-59.062 U17.2@63.794,-59.059 ; C52.1@63.144,-66.763 v1(64.744,-66.763) ; C53.1@63.144,-64.502 v1(64.744,-64.502) ; C51.1@64.172,-62.139 v1(65.772,-62.139)
  other v1: 48.5,-119.425 50.675,-119.425 49.55,-117.35 70.45,-100.7 69.325,-98.625 71.5,-98.625 36.123,-91.95 41.966,-74.707 54.447,-67.279 43.616,-65.564 41.812,-60.484 37.713,-59.899 53.309,-58.473 27.175,-55.75 29.35,-55.75 28.225,-53.675 70.775,-52.175 68.7,-51.125 70.775,-50 39.825,-48.025 42,-48.025 40.875,-45.95
"3.3V (ISO)": BOOT.1 BOOT.2 C42.2 C43.2 C44.2 C45.2 C52.2 C53.2 D2.A R38.2 SERIAL.1 STLINK.7 STLINK.8 U16.1 U16.9 U16.24 U16.36 U16.48 U17.5 | length 34.3
  Top Layer w0.254: D2.A@49.771,-62.723 50.971,-62.723 v1(51.678,-62.016)
  Bottom Layer w0.254: C44.2@40.654,-72.857 40.68,-72.831 v1(40.68,-71.994) 40.726,-71.994 40.977,-71.742 42.258,-71.742 42.466,-71.95 U16.36@42.466,-72.783 ; U16.48@40.766,-65.583 40.766,-64.934 40.771,-64.929 ; 41.889,-63.888 41.894,-63.883 U16.1@42.466,-63.883 ; U16.9@46.466,-63.883 46.489,-63.86 46.489,-63.045 47.803,-61.731 49.534,-61.731 v1(50.152,-61.113) ; U16.24@49.666,-71.083 50.552,-71.083 v1(51.332,-71.864) 52.532,-71.864 52.558,-71.838 C43.2@52.966,-72.247 ; R38.2@55.363,-61.199 55.366,-61.196 v1(57.535,-61.196)
  Bottom Layer w0.4: C52.2@61.271,-66.759 59.029,-66.759 58.678,-66.408 58.678,-64.498 ; C53.2@61.271,-64.498 58.678,-64.498 ; U17.5@61.405,-58.113 59.526,-58.113 58.678,-58.96 58.678,-64.498
  other v1: 59.034,-66.758 41.558,-63.888
5kW: "Universal Plug.8" R16.2 | length 25
  Top Layer w0.6: 12.196,-36.959 9.529,-39.626 9.529,-57.45 9.998,-57.919 R16.2@12.782,-57.919
"5kW (ISO)": 5kW.1 R8.1 R18.1 U6.4 U16.29 | length 93.2
  Top Layer w0.254: R18.1@32.962,-57.9 34.175,-57.9 37.037,-60.762 37.037,-76.791 v1(40.568,-80.322) ; v1(46.003,-74.758) 58.455,-74.758 61.6,-77.904 5kW.1@61.6,-87.975 61.6,-92.8 64.275,-95.475 64.275,-96.075 ; U6.4@59.75,-112.79 60.935,-112.79 64.275,-109.45 64.275,-96.075 ; R8.1@62.886,-96.076 64.275,-96.075
  Bottom Layer w0.254: v1(40.568,-80.322) 41.069,-80.322 46.003,-75.389 v1(46.003,-74.758) 45.976,-74.732 45.976,-72.793 U16.29@45.966,-72.783
5V: 5V.1 C28.2 C31.2 C36.2 D4.A U10.3 U11.2 U13.1 U15.1 | length 27.3
  Top Layer w0.254: C36.2@10.53,-62.909 v1(12.13,-62.909) 14.24,-62.909 15.447,-64.117 U15.1@17.296,-64.117 ; v1(13.666,-70.28) C31.2@13.666,-71.88 14.905,-71.88 15.422,-72.397 U13.1@17.098,-72.397 ; D4.A@36.534,-5.744 v1(38.134,-5.744)
  Top Layer w0.4: U11.2@43.586,-36.075 46.192,-36.075 v1(47.97,-34.297)
  Bottom Layer w0.254: v1(12.13,-62.909) 13.496,-61.543 13.496,-60.218 5V.1@13.478,-60.2
  Bottom Layer w0.6: U10.3@57.535,-16.644 C28.2@62.353,-16.644